# Altium PCB DCAC_V2c.PcbDoc (part 1 of 7) (continued)
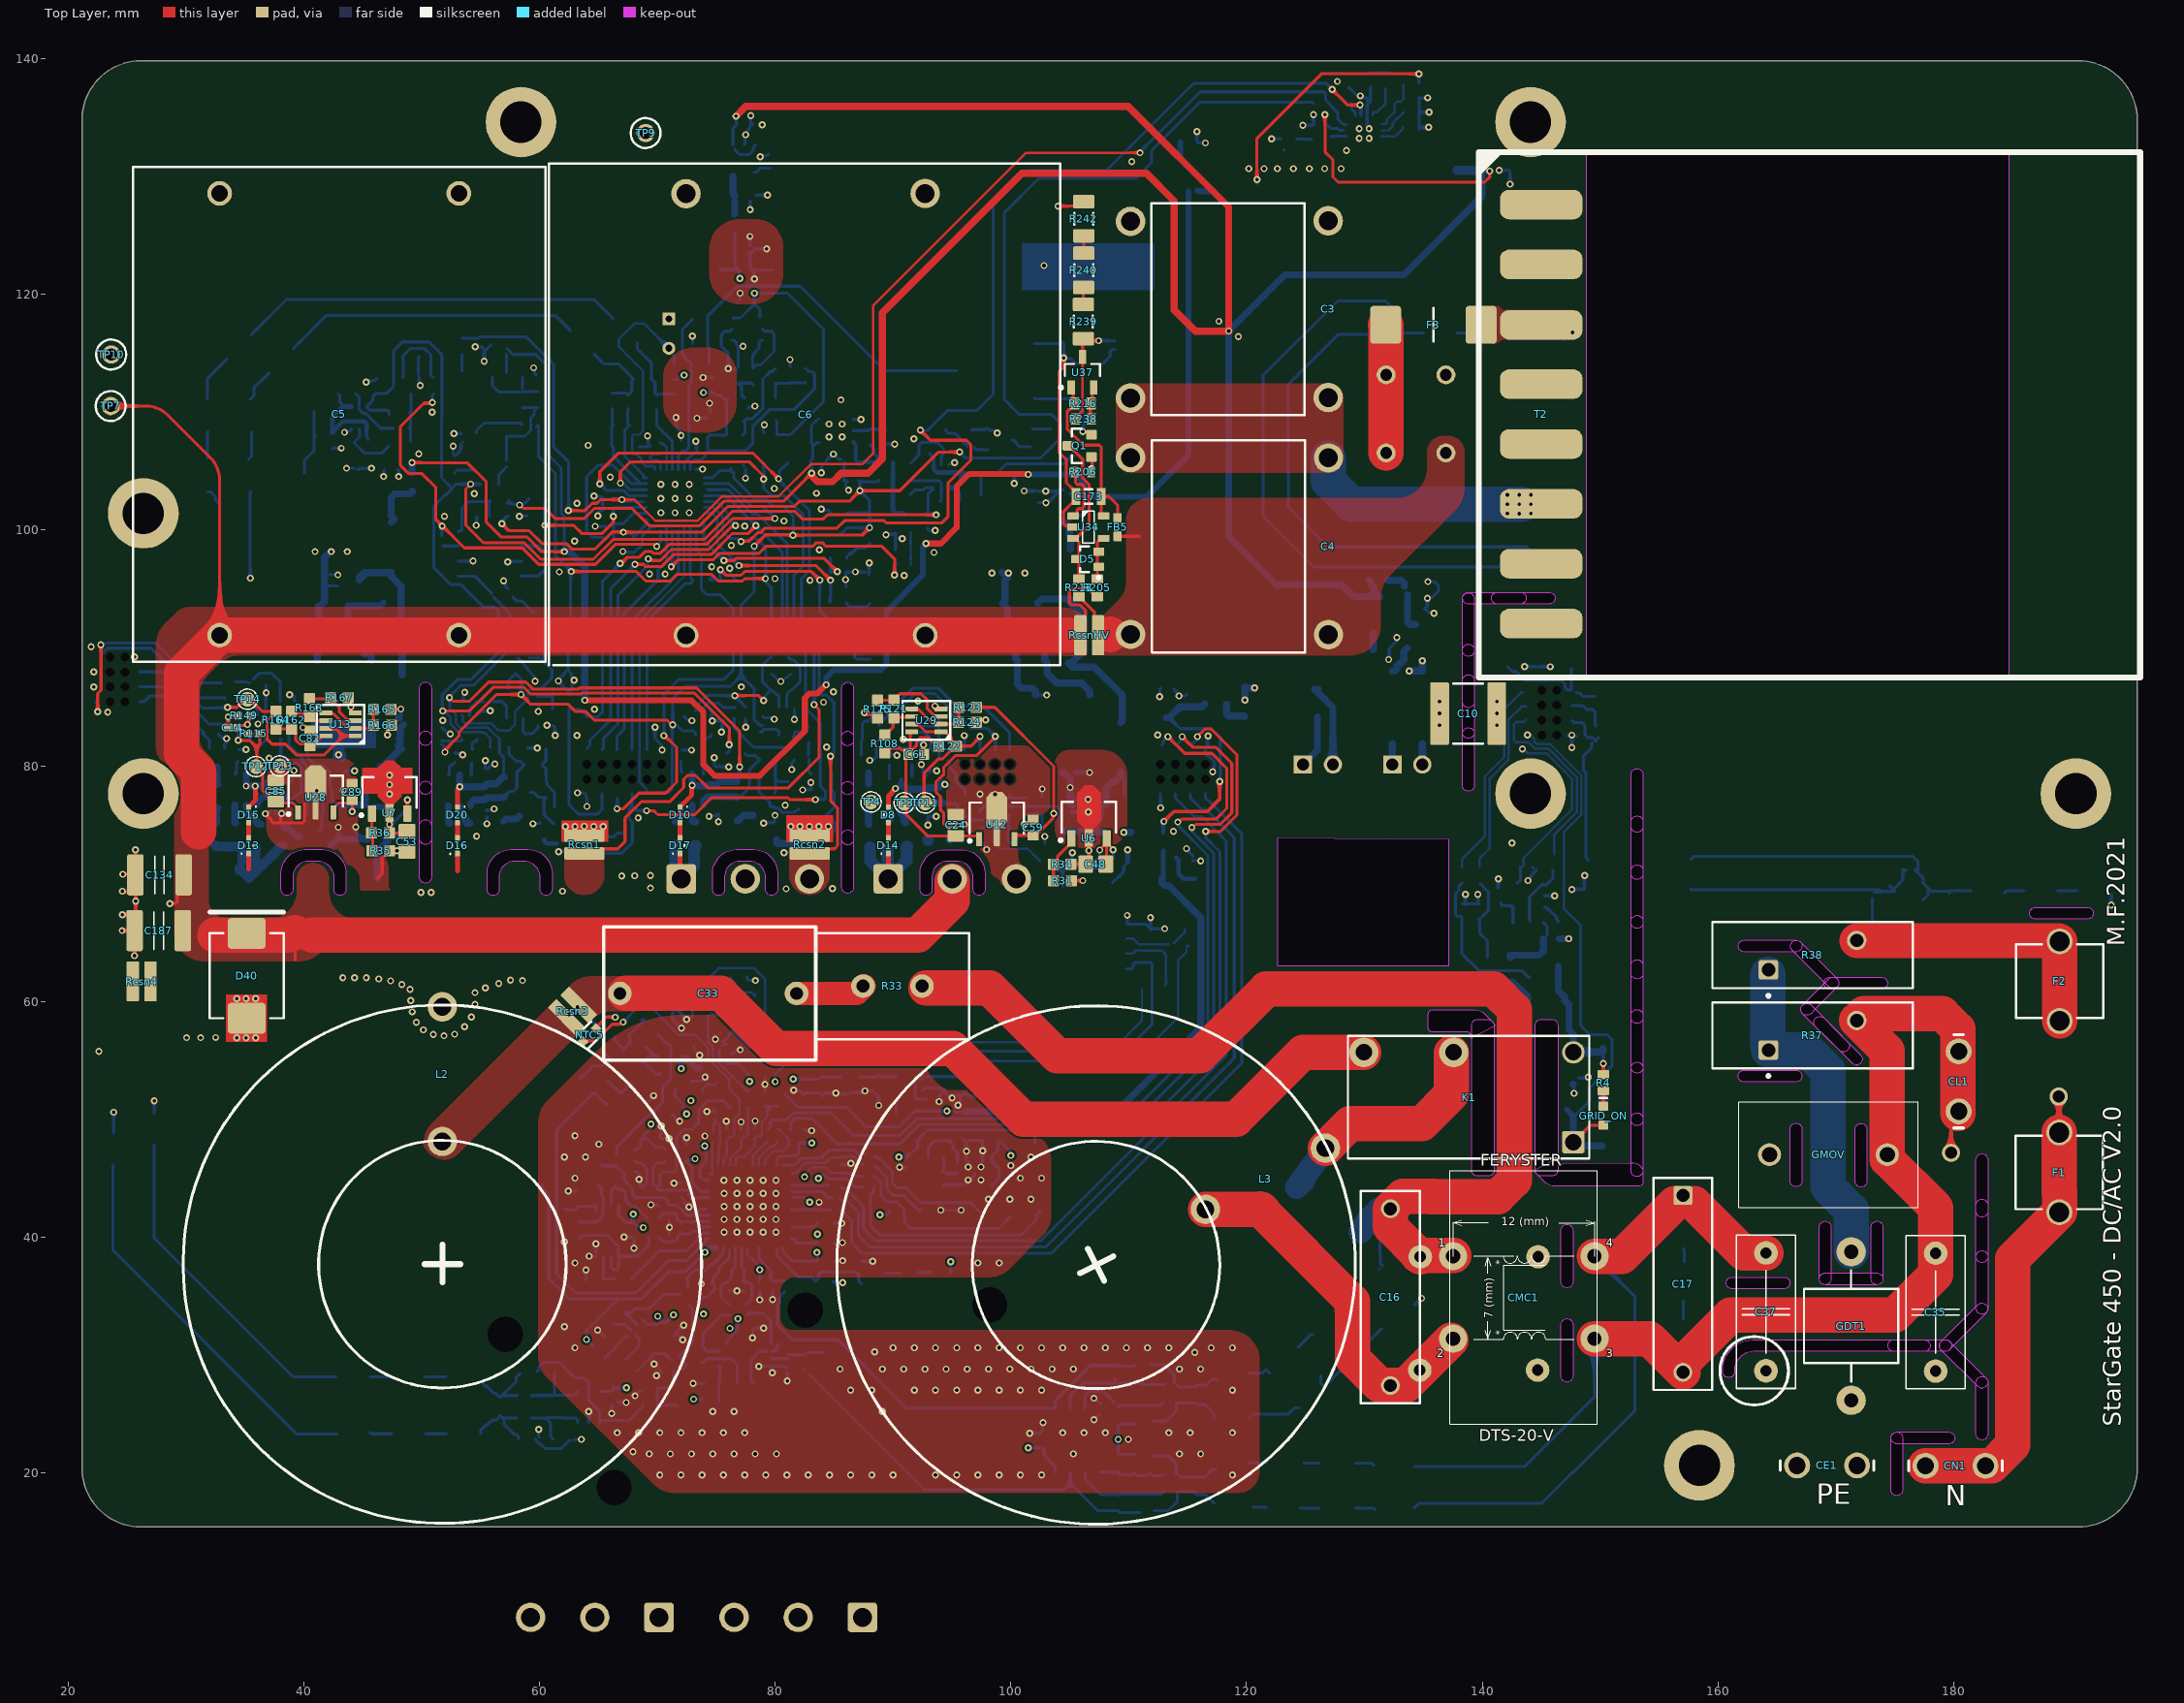
[diagram p0: Top Layer view]
## Classes and differential pairs (continued)
component class DRV_TOP_MOS: C14 C15 C24 C59 C61 C75 C78 C80 C81 C82 C85 C87 C89 C93 C97 C102 C103 C115 C122 C140 C141 C142 D29 D30 FB6 FB9 J4 J5 Q26 Q27 Q28 Q29 Q30 Q31 R108 R115 R121 R122 R123 R124 R125 R144 R145 R146 R147 R148 R149 R150 R151 R153 R154 R155 R156 R157 R158 R159 R162 R163 R164 R165 R166 R167 R172 R181 R183 R184 R185 R188 R189 R195 R208 R209 R220 R221 TP1 TP2 TP3 TP4 TP5 TP6 TP8 TP11 TP12 TP13 TP14 TP15 TP16 TP17 TP18 TP19 U12 U13 U17 U27 U28 U29 U31 U33
component class DCAC_V2: C1 C2 C3 C4 C5 C6 C9 C10 C16 C17 C33 C35 C37 C38 C86 C88 C116 C134 C149 C187 C188 C189 CE1 CL1 CMC1 CN1 D3 D4 D8 D10 D13 D14 D15 D16 D17 D18 D19 D20 D39 D40 F1 F2 F3 GDT1 GMOV GRID_ON J6 K1 L2 L3 Q3 Q16 Q17 Q23 Q24 Q25 R2 R3 R4 R5 R10 R12 R13 R15 R17 R20 R26 R27 R28 R29 R33 R37 R38 R39 R43 R48 R50 R152 R218 R219 R259 Rcsn1 Rcsn2 Rcsn3 RcsnHV T2 TP7 TP9 TP10 TP25 TP26 TP63 TP64 TP65 TP66 TP67 TP68 TP69 TP70 U1 U2 U5
component class Control_Sense_BOTT: BR1 C8 C13 C23 C25 C26 C27 C28 C42 C43 C45 C47 C48 C49 C53 C54 C55 C56 C57 C58 C62 C66 C67 C68 C69 C71 C72 C74 C76 C77 C90 C91 C92 C95 C98 C100 C104 C105 C106 C107 C109 C110 C112 C113 C114 C117 C118 C119 C120 C121 C123 C124 C125 C126 C127 C129 C136 C137 C138 C144 C150 C159 C161 C168 C170 C171 C172 C173 C176 C177 C178 C179 C180 C181 C182 C183 C184 C185 C186 CONN_BOTT D1 D5 D6 D7 D11 D12 D24 D25 D26 D27 D28 D33 D34 D35 D41 D42 D43 D45 D46 FB2 FB3 FB4 FB5 FB7 FB8 FB10 FB11 FB14 FB16 FB17 FB18 IC1 J3 L6 L7 LED3 NTC4 PT_SEC1 Q1 Q2 Q4 Q5 Q6 Q8 Q9 Q10 Q11 Q12 Q18 Q19 Q20 Q22 Q32 Q33 Q34 Q35 R16 R18 R19 R21 R22 R23 R24 R25 R30 R31 R34 R35 R36 R41 R66 R67 R69 R70 R71 R74 R76 R78 R79 R81 R85 R86 R87 R88 R95 R99 R100 R103 R104 R105 R106 R107 R111 R112 R116 R119 R126 R127 R128 R129 R130 R131 R132 R133 R138 R140 R141 R142 R143 R160 R161 R168 R169 R170 R171 R174 R175 R176 R177 R178 R179 R186 R187 R191 R192 R193 R198 R199 R203 R205 R206 R211 R212 R213 R214 R215 R216 R222 R223 R224 R225 R226 R227 R228 R229 R230 R231 R232 R233 R234 R235 R236 R237 R238 R239 R240 R241 R242 R243 R247 R248 R249 R250 R251 R252 R253 R257 R258 R262 R263 TP41 TP42 TP43 TP44 TP45 TP46 TP47 TP48 TP49 TP50 TP51 TP52 TP53 TP54 TP55 TP56 TP57 TP58 TP59 TP60 TP61 TP62 U3 U6 U7 U10 U11 U14 U15 U16 U18 U23 U24 U26 U34 U35 U36 U37 U40

## Components (designator, comment, footprint, x,y, rotation, side; value= is the part's Value field where it differs from the comment)
BR1 "CD-HD2006L" CDHD2006L 133.625,84.95 r180 bottom
BR2 "CD-HD2006L" CDHD2006L 122.925,85.425 r270 bottom
C1 "1uF" ECW-FE2W105K 118.65,118.7 r180 bottom
C2 "1uF" ECW-FE2W105K 118.65,98.65 r180 bottom
C3 "1uF" ECW-FE2W105K 118.425,118.75 r0 top
C4 "1uF" ECW-FE2W105K 118.45,98.625 r0 top
C5 "C4AQLLW5360M36K" C4AQLLW5360M36K 53.15,91.075 r90 top
C6 "45 uF 500V" C4AQLLW5450A38K 92.725,91.07 r90 top value=45uF
C7 "22uF" CAPC1206(3216)190_N 114.32,70.4 r180 bottom
C8 "22uF" CAPC1206(3216)190_N 134.895,95.25 r180 bottom
C9 "100pF" CAPC1608X90X35NL10T15#1 139.725,67.6 r270 bottom
C10 "2.2nF 4kV" CAPC5750X279X64LL40T39 138.8,84.425 r180 top
C11 "1uF" CAPC1608X86X35NL15T15 114.95,85.5 r270 bottom
C12 "1uF" CAPC1608X86X35NL15T15 96.06,53 r90 bottom
C13 "1uF" CAPC1608X86X35NL15T15 134.36,93.35 r180 bottom
C14 "100pF" CAPC1005X55X25NL05T10 33.94,83.25 r0 top
C15 "100pF" CAPC1005X55X25NL05T10 94.375,83.375 r180 bottom
C16 "100nF" TDK-B32922C3104K#1 132.2,34.9 r270 top
C17 "100nF" TDK-B32922C3104K#2 157.025,36.025 r270 top
C18 "C1206C105K3RACTU" CAPC3216X180X50NL20T25 111.825,64.725 r270 bottom
C19 "100nF" CAPC1608X90X35NL10T15#1 63.313,43.255 r270 bottom
C20 "1nF" CAPC1005X56X25NL10T15#1 77.1,48.725 r270 bottom
C21 "100nF" CAPC1608X90X35NL10T15#1 75.7,57.55 r0 bottom
C22 "10nF" CAPC1608X90X35NL10T15#1 73.05,59.925 r90 bottom
C23 "100pF" CAPC1608X90X35NL10T15#2 58.575,111.075 r270 bottom
C24 "4.7uF" CAPC2012X135N 95.325,74.95 r90 top value=4.7µ
C25 "10uF 50V" CAPC3216X229X50NL20T25 55.825,105.625 r0 bottom
C26 "10uF 50V" CAPC3216X229X50NL20T25 104.45,102 r270 bottom
C27 "10uF 50V" CAPC3216X229X50NL20T25 104.875,90.125 r270 bottom
C28 "10uF 50V" CAPC3216X229X50NL20T25 104.4,73.025 r90 bottom
C29 "100nF" CAPC1005X56X25NL10T15#1 75.925,48.7 r270 bottom
C30 "100nF" CAPC1608X90X35NL10T15#1 102.475,22.775 r270 bottom
C31 "100nF" CAPC1608X90X35NL10T15#1 67.988,40.53 r90 bottom
C32 "1nF" CAPC1608X90X35NL15T15#1 66.162,51.721 r225 bottom
C33 "560nF" R533I356050P0K 74.415,60.675 r180 top
C34 "1nF" CAPC1005X56X25NL10T15#2 71.463,40.23 r180 bottom
C35 "2.2nF" "CAPMF13.0x5.0x11.0x10.0mm LxWxHxP" 178.475,33.625 r90 top
C36 "1nF" CAPC1608X90X35NL15T15#2 66.634,55.401 r225 bottom
C37 "2.2nF" "CAPMF13.0x5.0x11.0x10.0mm LxWxHxP" 164.075,33.65 r270 top
C38 "10uF 50V" CAPC3216X229X50NL20T25 147.725,51.8 r270 bottom
C39 "1nF" CAPC1608X90X35NL15T15#1 70.6,55.825 r45 bottom
C40 "1nF" CAPC1005X56X25NL10T15#2 70.634,42.694 r0 bottom
C41 "1nF" CAPC1005X56X25NL10T15#2 77.4,35.875 r270 bottom
C42 "10uF 50V" CAPC3216X229X50NL20T25 47.375,104.125 r270 bottom
C43 "10uF 50V" CAPC3216X229X50NL20T25 46.75,92.425 r270 bottom
C44 "100nF" CAPC1608X90X35NL10T15#1 84.225,39.475 r0 bottom
C45 "10uF 50V" CAPC3216X229X50NL20T25 43.125,75.225 r90 bottom
C46 "100nF" CAPC1005X56X25NL10T15#1 78.675,35.85 r270 bottom
C47 "10uF 50V" CAPC3216X229X50NL20T25 106.575,76.625 r0 bottom
C48 "10uF" CAPC2013X140X45NL15T25 107.2,71.65 r0 top
C49 "10uF 50V" CAPC3216X229X50NL20T25 44.725,79.35 r0 bottom
C50 "1nF" CAPC1608X90X35NL15T15#1 109.175,20.8 r90 bottom
C51 "1nF" CAPC1608X90X35NL15T15#1 115.725,18.9 r90 bottom
C52 "1nF" CAPC1608X90X35NL15T15#1 109.2,17.4 r270 bottom
C53 "10uF" CAPC2013X140X45NL15T25 48.75,73.575 r270 top
C54 "100nF" CAPC1608X90X35NL10T15#1 79.05,83.75 r270 bottom
C55 "100nF" CAPC1608X90X35NL10T15#1 72.125,83.625 r270 bottom
C56 "100pF" CAPC1608X90X35NL10T15#2 81.35,87.1 r270 bottom
C57 "100pF" CAPC1608X90X35NL10T15#2 79.675,87.1 r270 bottom
C58 "100nF" CAPC1608X90X35NL10T15#1 58.625,87.85 r180 bottom
C59 "100nF" CAPC1608X90X35NL10T15#1 101.895,74.75 r270 top
C60 "1nF" CAPC1005X56X25NL10T15#2 74.4,35.975 r225 bottom
C61 "100nF" CAPC1608X90X35NL10T15#1 91.96,80.975 r180 top
C62 "1nF" CAPC1608X90X35NL15T15#1 66.875,108.875 r180 bottom
C63 "100nF" CAPC1005X56X25NL10T15#1 78.275,48.725 r270 bottom
C64 "100nF" CAPC1005X56X25NL10T15#1 73.45,48.1 r270 bottom
C65 "100nF" CAPC1608X90X35NL10T15#1 78.425,53.725 r180 bottom
C66 "100nF" CAPC1608X90X35NL10T15#1 67.94,98.735 r270 bottom
C67 "100nF" CAPC1608X90X35NL10T15#1 85.4,101.375 r0 bottom
C68 "100nF" CAPC1005X56X25NL10T15#1 73.825,106.725 r0 bottom
C69 "10uF" CAPC2013X140X45NL15T25 74.45,108.95 r270 bottom
C70 "1nF" CAPC1005X56X25NL10T15#2 74.95,37.4 r315 bottom
C71 "100nF" CAPC1608X90X35NL10T15#1 77.35,134.35 r180 bottom
C72 "100nF" CAPC1005X56X25NL10T15#1 65.8,102.75 r180 bottom
C73 "100nF" CAPC1608X90X35NL10T15#1 94.306,53.003 r90 bottom
C74 "1nF" CAPC1608X90X35NL15T15#3 68.725,112.85 r180 bottom
C75 "100nF" CAPC1608X90X35NL10T15#1 34.35,83.525 r270 bottom
C76 "1nF" CAPC1608X90X35NL15T15#1 70.775,108.775 r0 bottom
C77 "C1206C105K3RACTU" CAPC3216X180X50NL20T25 141.05,130.525 r180 bottom
C78 "330nF" CAPC2013X135X45NL10T25 38.8,77.875 r270 bottom
C79 "100nF" CAPC1608X90X35NL10T15#1 113.79,65.625 r270 bottom
C80 "100pF" CAPC1005X55X25NL05T10 36.1,85.525 r180 bottom
C81 "4.7uF" CAPC2012X135N 32.7,74.15 r90 bottom value=4.7µ
C82 "100nF" CAPC1608X90X35NL10T15#1 40.515,82.32 r270 top
C83 "1nF" CAPC1005X56X25NL10T15#2 76.875,37.3 r0 bottom
C84 "1nF" CAPC1005X56X25NL10T15#2 76.1,35.875 r90 bottom
C85 "4.7uF" CAPC2012X135N 37.625,77.85 r90 top value=4.7µ
C86 "1nF" CAPC1608X90X35NL15T15#2 140.025,97.415 r270 bottom
C87 "4.7uF" CAPC2012X135N 38.125,74.065 r90 bottom value=4.7µ
C88 "100nF" CAPC1608X90X35NL10T15#1 176.345,71.18 r180 bottom
C89 "100nF" CAPC1608X90X35NL10T15#1 44.1,77.775 r270 top
C90 "10uF" CAPC2013X140X45NL15T25 60.325,97.375 r90 bottom
C91 "10uF" CAPC2013X140X45NL15T25 56.775,94.575 r180 bottom
C92 "1nF" CAPC1005X56X25NL10T15#2 65.825,100.325 r0 bottom
C93 "100nF" CAPC1608X90X35NL10T15#1 90.95,84.575 r180 bottom
C94 "10uF" CAPC1608X90X40NL10T20 72.625,55.7 r225 bottom
C95 "100nF" CAPC1608X90X35NL10T15#1 92.725,100.675 r90 bottom
C96 "100nF" CAPC1608X90X35NL10T15#1 74.475,27.55 r0 bottom
C97 "330nF" CAPC2013X135X45NL10T25 94.3,77.65 r270 bottom
C98 "100nF" CAPC1608X90X35NL10T15#1 46.125,112.3 r270 bottom
C99 "10nF" CAPC1608X90X35NL10T15#1 64.53,36.38 r0 bottom
C100 "10uF" CAPC2013X140X45NL15T25 77.425,128.35 r180 bottom
C101 "10uF" CAPC2013X140X45NL15T25 88.66,52.9 r90 bottom
C102 "100pF" CAPC1005X55X25NL05T10 94.375,81.35 r180 bottom
C103 "4.7uF" CAPC2012X135N 87.85,74.25 r90 bottom value=4.7µ
C104 "100nF" CAPC1005X56X25NL10T15#1 65.8,101.85 r0 bottom
C105 "330nF" CAPC2013X135X45NL10T25 56.425,115.4 r0 bottom
C106 "10uF" CAPC1608X90X40NL10T20 54.05,101.2 r180 bottom
C107 "100nF" CAPC1608X90X35NL10T15#1 77.5,122.175 r180 bottom
C108 "100nF" CAPC1005X56X25NL10T15#1 72.49,44.621 r0 bottom
C109 "100nF" CAPC1608X90X35NL10T15#1 83.55,105.75 r180 bottom
C110 "10uF" CAPC1608X90X40NL10T20 86.45,105.75 r0 bottom
C111 "10uF" CAPC1608X90X40NL10T20 72.4,47 r270 bottom
C112 "100nF" CAPC1608X90X35NL10T15#1 51.7,82.52 r270 bottom
C113 "330nF" CAPC2013X135X45NL10T25 76.7,77.975 r270 bottom
C114 "100nF" CAPC1005X56X25NL10T15#1 68.45,106.775 r270 bottom
C115 "4.7uF" CAPC2012X135N 93.875,73.79 r0 bottom value=4.7µ
C116 "100nF" CAPC1608X90X35NL10T15#1 143.9,71.155 r180 bottom
C117 "330nF" CAPC2013X135X45NL10T25 57,78.2 r270 bottom
C118 "100pF" CAPC1005X55X25NL05T10 75.6,84.5 r90 bottom
C119 "100pF" CAPC1005X55X25NL05T10 53.925,85.425 r0 bottom
C120 "100pF" CAPC1608X90X35NL10T15#2 61.775,86.225 r180 bottom
C121 "100pF" CAPC1608X90X35NL10T15#2 61.725,88.15 r180 bottom
C122 "100nF" CAPC1608X90X35NL10T15#1 37.35,76.82 r90 bottom
C123 "100nF" CAPC1608X90X35NL10T15#1 55.45,76.575 r90 bottom
C124 "4.7uF" CAPC2012X135N 76.675,74.51 r90 bottom value=4.7µ
C125 "4.7uF" CAPC2012X135N 56.95,74.505 r90 bottom value=4.7µ
C126 "100nF" CAPC1608X90X35NL10T15#1 86.5,104.175 r0 bottom
C127 "10uF" CAPC2013X140X45NL15T25 77.45,123.8 r180 bottom
C128 "100nF" CAPC1608X90X35NL10T15#1 77.543,32.246 r180 bottom
C129 "10nF" CAPC1608X90X35NL10T15#1 79.575,131.4 r270 bottom
C130 "1nF" CAPC1608X90X35NL15T15#1 61.906,22.854 r0 bottom
C131 "10nF" CAPC1608X90X35NL10T15#1 81.14,29.329 r90 bottom
C132 "1nF" CAPC1005X56X25NL10T15#2 73.6,36.75 r45 bottom
C133 "1nF" CAPC1005X56X25NL10T15#2 79.8,35.85 r90 bottom
C134 "CAP 100nF 630V" CAPC4532X280N 27.75,70.745 r0 top value=100nF
C135 "1nF" CAPC1005X56X25NL10T15#2 74.775,50.375 r270 bottom
C136 "100nF" CAPC1608X90X35NL10T15#1 55.45,78.975 r90 bottom
C137 "100nF" CAPC1608X90X35NL10T15#1 75.175,76.725 r90 bottom
C138 "100nF" CAPC1608X90X35NL10T15#1 75.175,79.175 r90 bottom
C139 "100nF" CAPC1608X90X35NL10T15#1 71.659,50.819 r45 bottom
C140 "100nF" CAPC1608X90X35NL10T15#1 37.325,79.225 r90 bottom
C141 "100nF" CAPC1608X90X35NL10T15#1 92.875,76.24 r90 bottom
C142 "100nF" CAPC1608X90X35NL10T15#1 92.85,78.65 r90 bottom
C143 "10uF" CAPC2013X140X45NL15T25 83.96,52.8 r90 bottom
C144 "1nF" CAPC1005X56X25NL10T15#2 72,106.975 r270 bottom
C145 "1nF" CAPC1608X90X35NL15T15#1 109.15,24.8 r270 bottom
C146 "1nF" CAPC1608X90X35NL15T15#1 115.725,26.675 r270 bottom
C147 "1nF" CAPC1608X90X35NL15T15#1 109.15,28.35 r90 bottom
C148 "100nF" CAPC1608X90X35NL10T15#1 82.385,52.775 r90 bottom
C149 "100pF" CAPC1608X90X35NL10T15#3 138.525,67.6 r270 bottom
C150 "1nF" CAPC1005X56X25NL10T15#2 69.325,106.775 r270 bottom
C151 "10nF" CAPC1608X90X35NL10T15#1 89.506,50.428 r0 bottom
C152 "100nF" CAPC1608X90X35NL10T15#1 66.456,26.529 r90 bottom
C153 "10uF" CAPC1608X90X40NL10T20 69.35,44.175 r0 bottom
C154 "1nF" CAPC1608X90X35NL15T15#1 56.631,25.604 r270 bottom
C155 "100nF" CAPC1608X90X35NL10T15#1 82.25,48.675 r270 bottom
C156 "1uF" CAPC1608X86X35NL15T15 98.29,48.142 r0 bottom
C157 "10uF" CAPC1608X90X40NL10T20 95.44,48.142 r180 bottom
C158 "100nF" CAPC1608X90X35NL10T15#1 91.375,46.35 r90 bottom
C159 "10uF" CAPC1608X90X40NL10T20 77.475,114.85 r0 bottom
C160 "100nF" CAPC1005X56X25NL10T15#1 72.49,43.348 r0 bottom
C161 "100nF" CAPC1608X90X35NL10T15#1 76.9,105.225 r0 bottom
C162 "22uF" CAPC1206(3216)190_N 113.175,85.475 r270 bottom
C163 "100nF" CAPC1608X90X35NL10T15#1 69.553,48.634 r180 bottom
C164 "1nF" CAPC1005X56X25NL10T15#2 72.863,40.755 r270 bottom
C165 "1nF" CAPC1005X56X25NL10T15#2 71.463,41.38 r0 bottom
C166 "1nF" CAPC1608X90X35NL15T15#1 61.906,28.379 r0 bottom
C167 "1nF" CAPC1608X90X35NL15T15#2 69.343,27.194 r0 bottom
C168 "100nF" CAPC1608X90X35NL10T15#1 80,113.075 r90 bottom
C169 "100nF" CAPC1608X90X35NL10T15#1 84.225,37.95 r0 bottom
C170 "100nF" CAPC1608X90X35NL10T15#1 76.85,113.05 r270 bottom
C171 "100nF" CAPC1608X90X35NL10T15#1 79.525,108.1 r0 bottom
C172 "100nF" CAPC1608X90X35NL10T15#1 77.55,119.225 r0 bottom
C173 "10uF" CAPC2013X145X20NL20 106.6,102.85 r0 top
C174 "100nF" CAPC1608X90X35NL10T15#1 65.95,31.05 r315 bottom
C175 "100nF" CAPC1608X90X35NL10T15#1 71.125,32.325 r135 bottom
C176 "100nF" CAPC1608X90X35NL10T15#1 126.3,134.405 r0 bottom
C177 "1uF" CAPC1608X86X35NL15T15 126.275,133.175 r0 bottom
C178 "22uF" CAPC3225X279X50NL20T25 115.075,130.125 r270 bottom
C179 "22uF" CAPC3225X279X50NL20T25 126.975,130.125 r270 bottom
C180 "22uF" CAPC3225X279X50NL20T25 123.95,130.15 r270 bottom
C181 "22uF" CAPC3225X279X50NL20T25 120.9,130.125 r270 bottom
C182 "100nF" CAPC1608X90X35NL10T15#1 129.125,130.1 r270 bottom
C183 "47nF" CAPC1608X90X35NL10T15#3 131.8,138.15 r270 bottom
C184 "47nF" CAPC1608X90X35NL10T15#3 133.975,135.45 r180 bottom
C185 "100pF" CAPC1608X90X35NL10T15#3 131.2,136.325 r0 bottom
C186 "22uF" CAPC1206(3216)190_N 131.295,92.845 r90 bottom
C187 "CAP 100nF 630V" CAPC4532X280N 27.68,66.01 r0 top value=100nF
C188 "2.2nF" "CAPMF13.0x5.0x11.0x10.0mm LxWxHxP" 139.69,28.71 r180 bottom
C189 "2.2nF" "CAPMF13.0x5.0x11.0x10.0mm LxWxHxP" 139.735,38.33 r0 bottom
C190 "10nF" CAPC1608X90X35NL10T15#1 73.3,52.7 r315 bottom
CE1 "1217861-1" 1217861-1 169.26,20.61 r180 top
CL1 "1217861-1" 1217861-1 180.43,53.215 r90 top
CMC1 "" DTS-20/0,47/7,0 137.525,38.375 r0 top locked
CN1 "1217861-1" 1217861-1 180.16,20.59 r0 top
CONN_BOTT "CLP-106-02-F-D-BE" CLP-106-02-XXX-D-BE 67.2,79.5 r0 bottom
D1 "STTH108" DO-214AC 105.05,96.25 r270 bottom
D2 "ESDA5V3SC5" FP-SOT323-5L-MFG 84.63,46.105 r180 bottom value=90pF
D3 "IDH06G65C6XKSA1" INF-PG-TO220-2-1 134.375,106.55 r90 bottom
D4 "IDH06G65C6XKSA1" INF-PG-TO220-2-1 134.375,113.175 r270 bottom
D5 "BAT54SWT1" ONSC-SOT-323-3-419-04_V 106.5,97.525 r180 top
D6 "STTH108" DO-214AC 109.325,81.575 r270 bottom
D7 "STTH108" DO-214AC 47.4,98.55 r270 bottom
D8 "5V" ONSC-SOD-523-2-502-01_V 89.6,75.825 r270 top
D9 "BAT54SWT1" ONSC-SOT-323-3-419-04_V 67.984,54.176 r45 bottom
D10 "5V" ONSC-SOD-523-2-502-01_V 71.925,75.825 r270 top
D11 "3V3" ONSC-SOD-523-2-502-01_V 85.35,95.175 r0 bottom
D12 "3V3" ONSC-SOD-523-2-502-01_V 85.35,96.425 r0 bottom
D13 "15V" ONSC-SOD-523-2-502-01_V 35.325,73.225 r90 top
D14 "15V" ONSC-SOD-523-2-502-01_V 89.6,73.225 r90 top
D15 "5V" ONSC-SOD-523-2-502-01_V 35.325,75.825 r270 top
D16 "15V" ONSC-SOD-523-2-502-01_V 53.025,73.225 r90 top
D17 "15V" ONSC-SOD-523-2-502-01_V 71.925,73.225 r90 top
D18 "SZMMSZ4702T1G" ONSC-SOD-123-2-425-04_V 150.2,49.26 r270 bottom
D19 "SM4007PL" DIOD-SOD-123-2_V 150.245,54.245 r270 bottom
D20 "5V" ONSC-SOD-523-2-502-01_V 53.025,75.825 r270 top
D22 "BAT54SWT1" ONSC-SOT-323-3-419-04_V 61.256,25.629 r90 bottom
D24 "STTH108" DO-214AC 48.325,85.6 r270 bottom
D25 "DFLS220L-7" FP-PowerDI123-MFG 101.325,88.975 r180 bottom value=75pF
D26 "15V" SOD323 101.625,91.175 r0 bottom
D27 "DFLS220L-7" FP-PowerDI123-MFG 42.125,91.325 r180 bottom value=75pF
D28 "15V" SOD323 42.5,93.525 r0 bottom
D29 "RB520S30T5G" ONSC-SOD-523-2-502-01_V 40.875,75.825 r0 bottom
D30 "RB520S30T5G" ONSC-SOD-523-2-502-01_V 99.15,73.445 r180 bottom
D31 "BAT54SWT1" ONSC-SOT-323-3-419-04_V 111.125,19.1 r270 bottom
D32 "BAT54SWT1" ONSC-SOT-323-3-419-04_V 111.15,26.675 r90 bottom
D33 "RB520S30T5G" ONSC-SOD-523-2-502-01_V 79.275,77.775 r180 bottom
D34 "RB520S30T5G" ONSC-SOD-523-2-502-01_V 60.575,78 r270 bottom
D35 "DFLS240L-7" DIOD-POWERDI123-2_A_V 130.775,129.375 r270 bottom
D39 "1.5SMC440CA" FP-1_5SMC-MFG 126.95,42.325 r325 bottom
D40 "1.5SMC510A" FAIR-DO-214AB-2_V 35.15,62.175 r90 top
D41 "3V3" ONSC-SOD-523-2-502-01_V 76.025,95.775 r0 bottom
D42 "1N4148WT" FAIR-SOD-523F-2_V 106.65,114.125 r0 bottom
D43 "BAT54SWT1" ONSC-SOT-323-3-419-04_V 73.725,112.325 r180 bottom
D45 "16V" ONSC-SOD-323-2-477-02_V 109.075,74.35 r0 bottom
D46 "16V" ONSC-SOD-323-2-477-02_V 47.075,75.325 r270 bottom
F1 "3517" KSTN-3517-2_V 188.97,45.49 r90 top
F2 "3517" KSTN-3517-2_V 188.995,61.715 r90 top
F3 "0678H9100-02" FUSC9830X318N 135.85,117.425 r180 top
FB1 "100R" SMD-0603#1 112.925,73.55 r270 bottom
FB2 "100R" SMD-0603#1 76.55,126.05 r270 bottom
FB3 "100R" SMD-0603#1 55.775,103.9 r0 bottom
FB4 "100R" SMD-0603#1 76.675,81.025 r180 bottom
FB5 "100R" SMD-0603#1 109.05,100.25 r270 top
FB6 "100R" SMD-0603#1 38.775,82.275 r0 bottom
FB7 "100R" SMD-0603#2 117.975,128.8 r180 bottom
FB8 "100R" SMD-0603#3 131.15,95.725 r180 bottom
FB9 "100R" SMD-0603#1 96.525,76.1 r0 bottom
FB10 "100R" SMD-0603#1 56.6,102.5 r0 bottom
FB11 "100R" SMD-0603#1 88.8,105 r270 bottom
FB13 "100R" SMD-0603#1 86.335,53.575 r180 bottom
FB14 "100R" SMD-0603#1 56.6,81.575 r180 bottom
FB16 "100R" SMD-0603#1 106.2,102.025 r270 bottom
FB17 "100R" SMD-0603#1 49.2,104.075 r270 bottom
FB18 "100R" SMD-0603#1 56.575,101.2 r0 bottom
FB19 "100R" SMD-0603#1 92.8,48.2 r180 bottom
GDT1 "AC240" AC240 171.3,38.75 r270 top
GMOV "IsoM8-275" GMOV20D271K 174.375,46.995 r180 top
GRID_ON "150060GS75000" 0603_A 150.275,50.3 r270 top
IC1 "STM32G431KBU3" QFN50P500X500X60-33N-D 71.525,102.675 r0 bottom
J1 "CLP-104-02-F-D-BE" CLP-104-02-XXX-D-BE#1 114.6,79.5 r0 bottom locked
J2 "Header 6" HDR1X6 89.835,41.8 r0 bottom
J3 "Header 6" HDR1X6 88.025,101.745 r270 bottom
J4 "CLP-104-02-F-D-BE" CLP-104-02-XXX-D-BE#2 24.175,87.325 r270 bottom
J5 "CLP-104-02-F-D-BE" CLP-104-02-XXX-D-BE#2 98,79.5 r0 bottom
J6 "CLP-104-02-F-D-BE" CLP-104-02-XXX-D-BE#2 145.7,84.5 r270 bottom locked
K1 "ALQ312" PNSC-LQ-4-2000x1000x1600_V 147.73,48.055 r180 top
L2 "1mH" PCBComponent_1 51.75,37.7 r180 top
L3 "1mH" PCBComponent_1 107.225,37.625 r117 top
L5 "VLS3015CX-100M-1" FP-VLS3015CX-H-MFG 117.3,85.425 r180 bottom
L6 "VLS3015ET-2R2M" FP-VLS3015CX-H-MFG 134.515,90.9 r90 bottom
L7 "PA4340.103NLT" PA4340333NLT 135.6,130.525 r180 bottom
LED2 "150060YS75000" 0603_A 94.075,37 r0 bottom
LED3 "150060YS75000" 0603_A 103.375,107.775 r270 bottom
NTC4 "100K" FP-NXR_151B030-MFG 70.975,116.675 r270 bottom
NTC5 "NCU18XH103F60RB" FP-NCU18-0_15-MFG 64.25,57.15 r225 top
PT_SEC1 "TSW-102-08-G-S-RA" SMTC-TSW-102-08-X-S-RA 132.375,80.1 r0 bottom
PT_SEC2 "TSW-102-08-G-S-RA" SMTC-TSW-102-08-X-S-RA 124.785,80.1 r0 bottom
Q1 "MMBT3904LT1G" ONSC-SOT-23-3-318-08_V 105.84,107.15 r180 top
Q2 "PZTA92T1" SOT223 98.675,113.525 r180 bottom
Q3 "2N7002" SOT23-3 141.4,62.575 r270 bottom
Q4 "700V" SOT223-3 102.15,86 r270 bottom
Q5 "700V" SOT223-3 41.175,88.95 r270 bottom
Q6 "PZTA92T1" SOT223 106.55,119.225 r90 bottom
Q7 "2N7002-7-F" DIOD-SOT23-3_V 88.35,36.975 r0 bottom
Q8 "MBT3946DW1T2G" ONSC-SC70-6-419B-02_W_V 94.1,104.55 r270 bottom
Q9 "700V" SOT223-3 97.525,102.95 r270 bottom
Q10 "MBT3946DW1T2G" ONSC-SC70-6-419B-02_W_V 44.675,109.525 r90 bottom
Q11 "700V" SOT223-3 40.05,104.825 r270 bottom
Q12 "2N7002W-7-F" FP-SOT323-IPC_B 90.85,100.6 r90 bottom
Q16 "2N7002" SOT23-3 145.3,62.975 r0 bottom
Q17 "IKW30N65EL5 / STGW30M65DF2" INF-PG-TO247-3_V 77.465,70.4 r270 bottom
Q18 "2N7002W-7-F" FP-SOT323-IPC_B 49.075,112.4 r270 bottom
Q19 "2N7002-7-F" DIOD-SOT23-3_V 99.035,107.773 r0 bottom
Q20 "DMN3067LW-7" FP-SOT323-IPC_C 82.15,73.4 r180 bottom
Q22 "DMN3067LW-7" FP-SOT323-IPC_C 79.075,75.85 r180 bottom
Q23 "IKW30N65EL5 / STGW30M65DF2" INF-PG-TO247-3_V 95.025,70.4 r270 bottom
Q24 "C3M0065090D" CREE-TO-247-3_V 81.95,7.725 r180 bottom
Q25 "C3M0065090D" CREE-TO-247-3_V 64.685,7.725 r180 bottom
Q26 "DMN3067LW-7" FP-SOT323-IPC_C 32.625,80.7 r270 bottom
Q27 "DMN3067LW-7" FP-SOT323-IPC_C 40.475,73.975 r180 bottom
Q28 "BSS138W" NXP-SOT323_M 38.72,84.45 r270 bottom
Q29 "DMN3067LW-7" FP-SOT323-IPC_C 87.925,80.125 r270 bottom
Q30 "DMN3067LW-7" FP-SOT323-IPC_C 96.625,74.1 r180 bottom
Q31 "BSS138W" NXP-SOT323_M 101.775,74.075 r180 bottom
Q32 "BSS138W" NXP-SOT323_M 82.1,78.65 r180 bottom
Q33 "DMN3067LW-7" FP-SOT323-IPC_C 62.224,73.4 r180 bottom
Q34 "DMN3067LW-7" FP-SOT323-IPC_C 59.25,75.8 r180 bottom
Q35 "BSS138W" NXP-SOT323_M 60.525,82.425 r270 bottom
R1 "0R" RESC1608X55X25ML10T15 70.825,59.6 r315 bottom
R2 "47K 1206" RESC3216X70X50NL05T20#1 145.25,116.7 r0 bottom
R3 "10K" RESC1609X50X30NL8T20 149.575,85.225 r270 bottom
R4 "4.7K" RESC1608X55X30NL15T15#1 150.275,53.1 r270 top
R5 "47K 1206" RESC3216X70X50NL05T20#1 140.925,116.725 r0 bottom
R6 "18K" RESC1608X55X30NL20T20#1 93.615,46.767 r180 bottom
R7 "0.47R" RESC1608X55X25NL10T15#1 114.775,72.175 r180 bottom
R8 "49.9R" RESC1005X40X25NL05T05#1 77.575,33.85 r90 bottom
R9 "1K 0.1%" RESC1608X55X25NL10T15#2 77.472,27.544 r180 bottom
R10 "560R" RESC3216X70X40ML20T20 145.4,60.125 r0 bottom
R11 "1K" RESC1608X55X30NL15T15#1 94.125,44.95 r90 bottom
R12 "47K 1206" RESC3216X70X50NL05T20#1 136.425,116.725 r0 bottom
R13 "10K" RESC1609X50X30NL8T20 149.575,82.75 r90 bottom
R14 "1K 0.1%" RESC1608X55X25NL10T15#2 73.725,30.025 r90 bottom
R15 "1K" RESC1608X55X30NL15T15#1 141.35,68.905 r90 bottom
R16 "1K" RESC1005X40X25NL05T10 76.55,84.475 r90 bottom
R17 "100K" RESC1608X55X25NL10T15#1 143.265,66.655 r180 bottom
R18 "33K" RESC1005X40X25ML05T05#1 73.9,80.85 r270 bottom
R19 "330R" RESC1608X55X25NL10T15#2 59.2,108.95 r180 bottom
R20 "47K 1206" RESC3216X70X50NL05T20#1 182.911,69.398 r0 bottom
R21 "120K" RESC1608X55X30NL15T15#1 59.85,111.075 r270 bottom
R22 "10K" RESC1609X50X30NL10T20 59.2,112.95 r180 bottom
R23 "2K" RESC3116X65X50ML20T20 106.575,72.925 r90 bottom
R24 "2K" RESC3116X65X50ML20T20 100.775,93.8 r0 bottom
R25 "2K" RESC3116X65X50ML20T20 45.2,75.25 r90 bottom
R26 "47K 1206" RESC3216X70X50NL05T20#1 187.411,69.398 r0 bottom
R27 "47K 1206" RESC3216X70X50NL05T20#1 191.936,69.399 r0 bottom
R28 "333K" RESC3216X70X50NL05T20#2 157.05,31.575 r270 bottom
R29 "333K" RESC3216X70X50NL05T20#2 157.05,36 r270 bottom
R30 "2K" RESC3116X65X50ML20T20 43.225,95.75 r0 bottom
R31 "2K" RESC1609X55X30NL15T15#1 104.375,70.25 r180 top
R32 "49.9R" RESC1005X40X25NL05T05#1 76.05,33.85 r90 bottom
R33 "SQMW5" SQMW5 92.45,61.3 r180 top
R34 "10K" RESC1609X55X30NL15T15#2 104.35,71.65 r0 top
R35 "2K" RESC1609X55X30NL15T15#1 46.525,72.775 r180 top
R36 "10K" RESC1609X55X30NL15T15#2 46.5,74.3 r0 top
R37 "V275LA20AP" LFUS-V275LA20AP 168.03,57.125 r0 top
R38 "V275LA20AP" LFUS-V275LA20AP 168.03,63.925 r0 top
R39 "333K" RESC3216X70X50NL05T20#2 157.05,40.45 r270 bottom
R40 "4.99K 0.1%" RESC1608X55X30NL20T20#2 111.225,24.1 r180 bottom
R41 "470R" RESC1608X55X30NL15T15#1 90.75,105.7 r180 bottom
R42 "100k" RESC1608X55X30NL15T15#2 76.225,51.625 r270 bottom
R43 "330R" RESC1608X55X25NL10T15#1 138.3,70.725 r90 bottom
R44 "4.99K 0.1%" RESC1608X55X30NL20T20#2 59.006,22.854 r0 bottom
R45 "422K 0.1% 1206" RESC1206(3216)_N 129.065,29.865 r45 bottom value="1500000.00 Ohm"
R46 "422K 0.1% 1206" RESC1206(3216)_N 125.475,26.355 r45 bottom value="1500000.00 Ohm"
R47 "422K 0.1% 1206" RESC1206(3216)_N 118.7,24.65 r0 bottom value="1500000.00 Ohm"
R48 "330R" RESC1608X55X25NL10T15#1 139.775,70.725 r90 bottom
R49 "499R 0.1%" RESC1608X55X30LL20T20 113.525,25.925 r180 bottom
R50 "330R" RESC1608X55X25NL10T15#1 145.99,71.85 r270 bottom
R51 "49.9R" RESC1005X40X25NL05T05#1 85.1,42.3 r0 bottom
R52 "422K 0.1% 1206" RESC1206(3216)_N 126.605,32.835 r45 bottom value="1500000.00 Ohm"
R53 "1K 0.1%" RESC1608X55X25NL10T15#2 74.5,26.2 r0 bottom
R54 "1K 0.1%" RESC1608X55X25NL10T15#2 63.313,40.58 r90 bottom
R55 "1K 0.1%" RESC1608X55X25NL10T15#2 65.738,44.355 r0 bottom
R56 "422K 0.1% 1206" RESC1206(3216)_N 123.33,29.65 r45 bottom value="1500000.00 Ohm"
R57 "1K 0.1%" RESC1608X55X25NL10T15#2 61.494,42.429 r0 bottom
R58 "30K 0.1%" RESC1608X55N 64.076,52.817 r315 bottom
R59 "3.9K" RESC1608X55X30NL15T15#1 67.28,36.43 r0 bottom
R60 "49.9R" RESC1005X40X25NL05T05#1 80.8,35.825 r90 bottom
R61 "49.9R" RESC1005X40X25NL05T05#1 69.65,39.95 r0 bottom
R62 "100k" RESC1608X55X30NL15T15#2 80.525,51.65 r90 bottom
R63 "1K 0.1%" RESC1608X55X25NL10T15#2 64.734,56.276 r315 bottom
R64 "499R 0.1%" RESC1608X55N 65.136,53.913 r315 bottom
R65 "100k" RESC1608X55X30NL15T15#2 79.125,51.625 r270 bottom
R66 "10K" RESC1609X55X30NL15T15#1 93.775,106.65 r180 bottom
R67 "2K" RESC1609X55X30NL15T15#1 90.725,103.05 r180 bottom
R68 "49.9R" RESC1005X40X25NL05T05#1 74.75,48.575 r90 bottom
R69 "470R" RESC1608X55X30NL15T15#1 48.175,107.4 r0 bottom
R70 "10K" RESC1609X55X30NL15T15#2 45.025,107.4 r0 bottom
R71 "82R" RESC1608X55X30NL15T15#1 96.75,104.875 r0 bottom
R72 "49.9R" RESC1005X40X25NL05T05#1 66.475,46.525 r270 bottom
R73 "1K 0.1%" RESC1608X55X25NL10T15#2 65.932,57.466 r315 bottom
R74 "10K" RESC1609X55X30NL15T15#2 94.725,102.45 r180 bottom
R75 "499R 0.1%" RESC1608X55N 68.45,56.775 r315 bottom
R76 "10K" RESC1609X55X30NL15T15#2 99.6,104.85 r0 bottom
R77 "30K 0.1%" RESC1608X55N 69.5,57.825 r315 bottom
R78 "470R" RESC1608X55X30NL15T15#1 90.75,104.375 r180 bottom
R79 "2K" RESC1609X55X30NL15T15#1 48.2,109.975 r0 bottom
R80 "422K 0.1% 1206" RESC1206(3216)_N 118.7,28.45 r0 bottom value="1500000.00 Ohm"
R81 "330R" RESC1608X55X25NL10T15#2 90.825,97.05 r0 bottom
R82 "100k" RESC1608X55X30NL15T15#2 84.225,41.2 r0 bottom
R83 "499R 0.1%" RESC1608X55X30LL20T20 113.525,27.4 r180 bottom
R84 "49.9R" RESC1005X40X25NL05T05#1 87.975,46.05 r0 bottom
R85 "82R" RESC1608X55X30NL15T15#1 41.65,108.025 r180 bottom
R86 "100k" RESC1608X55X30NL15T15#2 90.85,98.3 r0 bottom
R87 "10K" RESC1609X55X30NL15T15#2 43.675,111.55 r0 bottom
R88 "330R" RESC1608X55X25NL10T15#2 79.675,89.9 r270 bottom
R89 "4.99K 0.1%" RESC1608X55X30NL20T20#2 111.175,21.6 r180 bottom
R90 "422K 0.1% 1206" RESC1206(3216)_N 127.8,20.8 r0 bottom value="1500000.00 Ohm"
R91 "422K 0.1% 1206" RESC1206(3216)_N 123.275,20.8 r0 bottom value="1500000.00 Ohm"
R92 "422K 0.1% 1206" RESC1206(3216)_N 118.725,20.8 r0 bottom value="1500000.00 Ohm"
R93 "499R 0.1%" RESC1608X55X30LL20T20 113.525,19.875 r180 bottom
R94 "422K 0.1% 1206" RESC1206(3216)_N 127.825,17 r0 bottom value="1500000.00 Ohm"
R95 "330R" RESC1608X55X25NL10T15#2 61.775,90.86 r180 bottom
R96 "422K 0.1% 1206" RESC1206(3216)_N 123.3,17 r0 bottom value="1500000.00 Ohm"
R97 "422K 0.1% 1206" RESC1206(3216)_N 118.775,17 r0 bottom value="1500000.00 Ohm"
R98 "499R 0.1%" RESC1608X55X30LL20T20 113.525,18.375 r180 bottom
R99 "330R" RESC1608X55X25NL10T15#2 81.125,89.9 r270 bottom
R100 "4.7R" RESC2012X70N 73.25,74.225 r270 bottom value=N/A
R101 "49.9R" RESC1005X40X25NL05T05#1 73.1,34.625 r45 bottom
R102 "4.99K 0.1%" RESC1608X55X30NL20T20#2 111.25,16.625 r180 bottom
R103 "1K" RESC1005X40X25NL05T10 55.7,85.45 r180 bottom
R104 "33K" RESC1005X40X25ML05T05#1 54.275,80.75 r270 bottom
R105 "33K" RESC1005X40X25ML05T05#1 72,80.85 r270 bottom
R106 "1R" RESC2012X70N 71.525,74.225 r270 bottom value=N/A
R107 "330R" RESC1608X55X25NL10T15#2 61.8,84.825 r180 bottom
R108 "10K" RESC1609X55X30NL15T15#1 89.31,81.86 r90 top
R109 "49.9R" RESC1005X40X25NL05T05#1 88.005,46.955 r0 bottom
R110 "3.9K" RESC1608X55X30NL15T15#1 82.485,29.33 r270 bottom
R111 "49.9R" RESC1608X55X30NL15T15#1 85.375,97.625 r0 bottom
R112 "49.9R" RESC1608X55X30NL15T15#1 85.325,93.875 r0 bottom
R113 "422K 0.1% 1206" RESC1206(3216)_N 44.225,23.3 r180 bottom value="1500000.00 Ohm"
R114 "330R" RESC1608X55X25NL10T15#1 91.375,36.975 r180 bottom
R115 "1K" RESC1005X40X25NL05T10 35.725,82.75 r180 top
R116 "330R" RESC1608X55X25NL10T15#1 101.65,107.8 r90 bottom
R117 "100k" RESC1608X55X30NL15T15#1 84.15,36.225 r180 bottom
R118 "49.9R" RESC1005X40X25NL05T05#1 85.09,43.24 r0 bottom
R119 "100k" RESC1608X55X30NL15T15#1 96.625,107.775 r270 bottom
R120 "49.9R" RESC1005X40X25NL05T05#1 85.085,44.27 r0 bottom
R121 "2K" RESC1609X55X30NL15T15#1 90.065,84.825 r90 top
R122 "10K" RESC1609X55X30NL15T15#1 94.615,81.65 r0 top
R123 "56K" RESC1609X55X30NL15T15#1 96.315,84.96 r180 top
R124 "10K" RESC1609X55X30NL15T15#1 96.3,83.7 r0 top
R125 "10K" RESC1609X55X30NL15T15#1 88.68,84.805 r270 top
R126 "4.99K 0.1%" RESC1608X55X30NL20T20#2 66.15,110.975 r270 bottom
R127 "0R 1206" RESC3216X70X50NL05T20#2 35.525,104.7 r90 bottom
R128 "422K 0.1% 1206" RESC1206(3216)_N 35.55,109.8 r270 bottom value="1500000.00 Ohm"
R129 "422K 0.1% 1206" RESC1206(3216)_N 38.075,114.375 r225 bottom value="1500000.00 Ohm"
R130 "100K" RESC1608X55X30NL15T15#1 61.75,89.45 r180 bottom
R131 "422K 0.1% 1206" RESC1206(3216)_N 63.625,115.925 r135 bottom value="1500000.00 Ohm"
R132 "499R 0.1%" RESC1608X55X30LL20T20 67.575,110.925 r270 bottom
R133 "0.1R" RESC1608X55X25ML10T15 52.8,105.6 r270 bottom